# Altium PCB PCB5.PcbDoc (part 16 of 16)
Units mil, origin at the board's own origin, x right, y up, seen from the top; angles counter-clockwise.
Board outline 9210.27 x 4350.4 mil, 4 copper layers (Top Layer, Layer 1, Layer 2, Bottom Layer), stack 23.756 mil thick; 1550 components, 1731 nets, 5196 pads, 1890 vias.
Unrouted connection lines stored in the file: 2462.
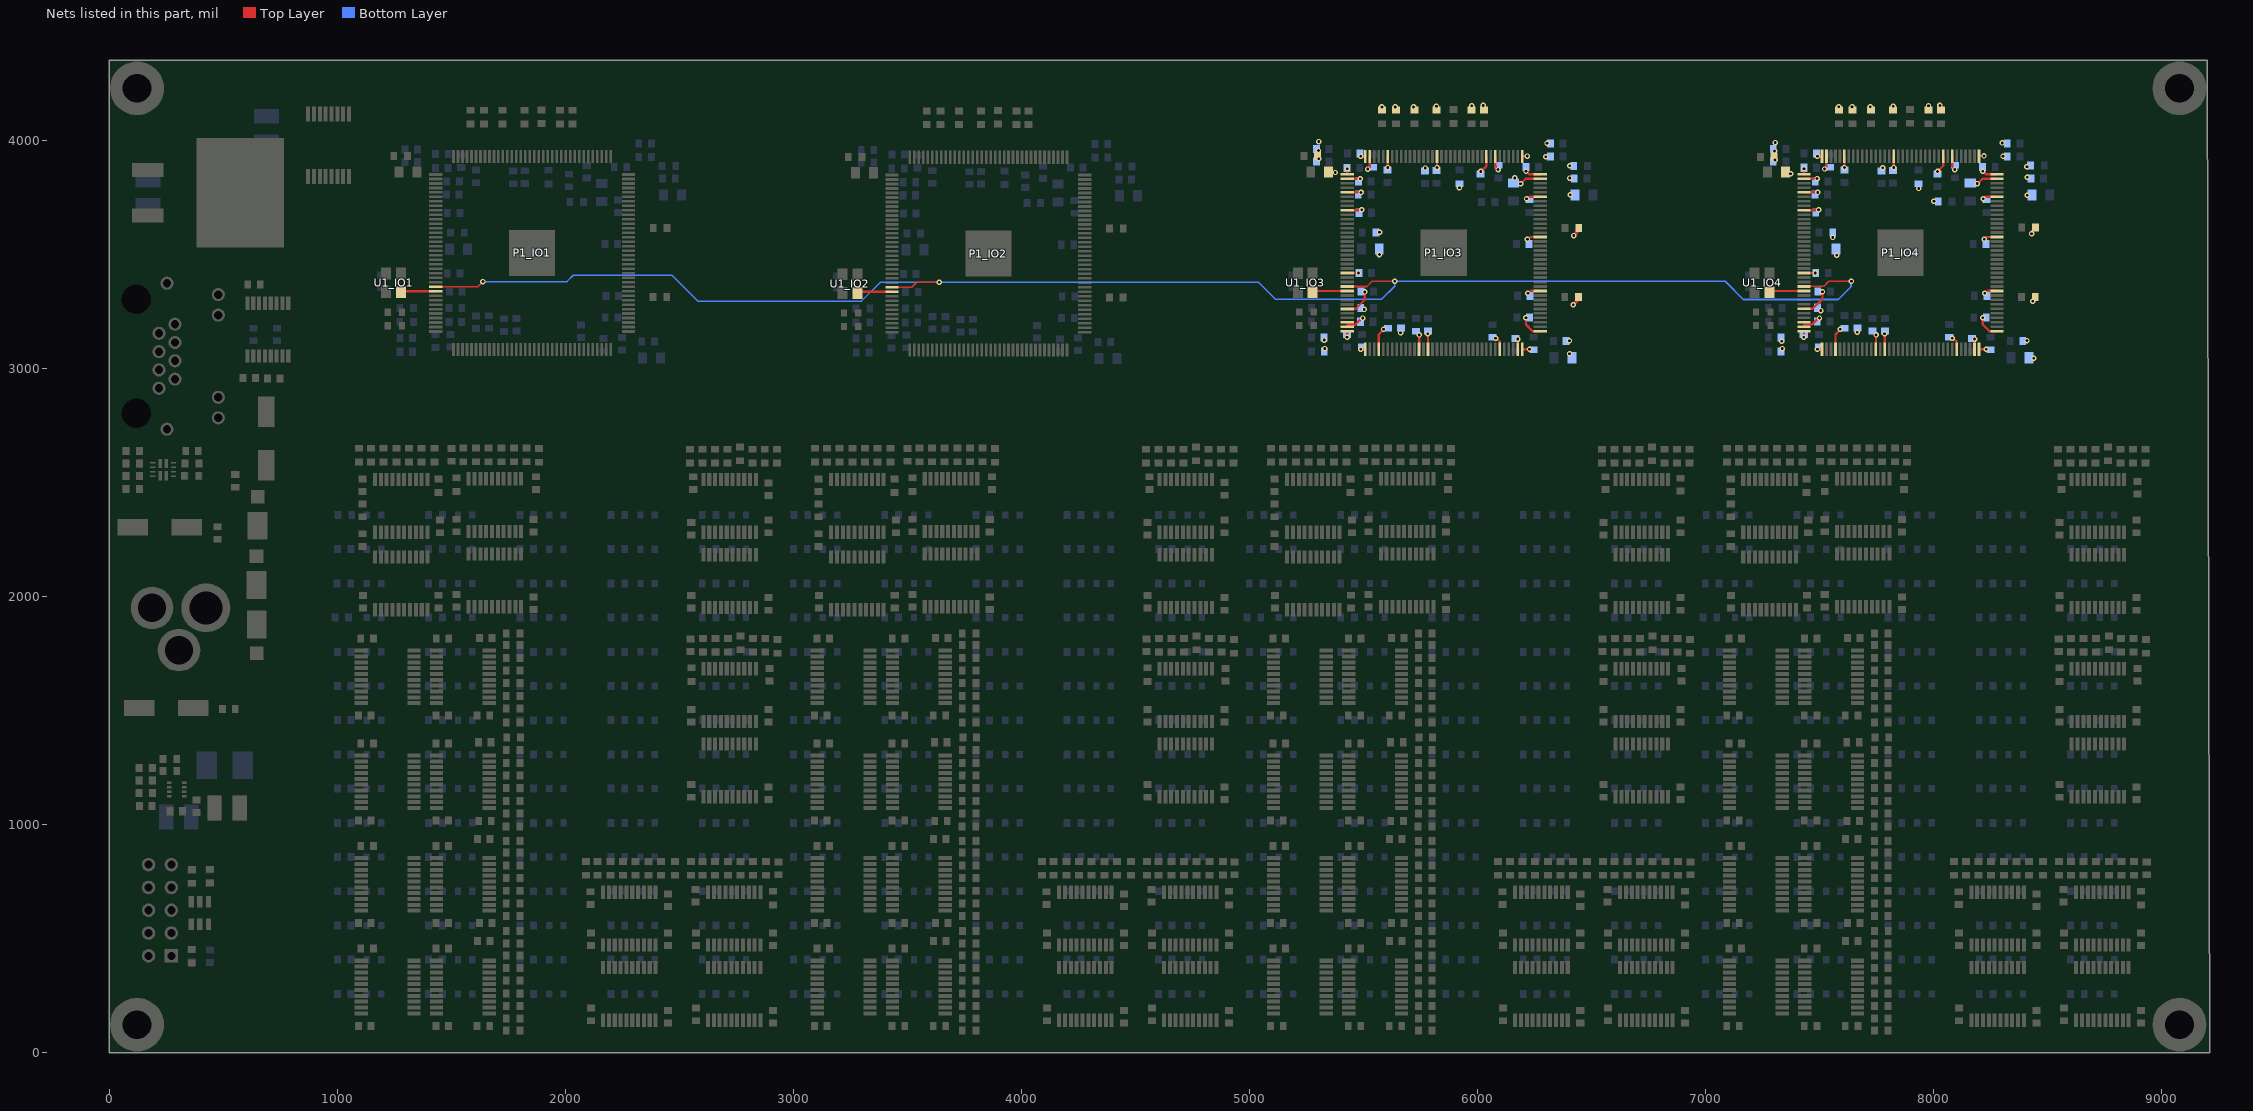
[diagram p18: the nets of this part, all layers, seen from the top]

## Via types
v1: diameter 24, hole 12, Top Layer to Bottom Layer, tented both sides, 1882 vias
v2: diameter 24, hole 12, Top Layer to Bottom Layer, 8 vias

## Nets (pads, with @x,y where several pads share a name; then routed paths per layer and width w, separated by ;. In a path a pad name is that pad's centre, name@x,y a point inside that pad or via, vN(x,y) a via of type N, cw(c..) or ccw(c..) an arc to the next point about the centre after c; other vN are vias at no path point) (continued)
VCC_FPGA_IO3: C2_POWER3.1 C3_POWER3.1 C4_POWER3.1 C5_POWER3.1 C6_POWER3.1 C7_POWER3.1 C9_POWER3.1 C10_POWER3.2 C11_POWER3.2 C12_POWER3.1 C13_POWER3.1 C15_POWER3.1 C16_POWER3.1 C17_POWER3.1 C23_POWER3.1 C24_POWER3.1 C45_POWER3.1 C46_POWER3.2 C47_POWER3.1 C48_POWER3.1 C49_POWER3.1 C51_POWER3.1 C52_POWER3.1 C53_POWER3.1 C54_POWER3.1 C55_POWER3.2 C56_POWER3.2 C57_POWER3.1 C58_POWER3.1 C59_POWER3.1 C60_POWER3.1 C61_POWER3.1 C62_POWER3.1 C64_POWER3.1 C65_POWER3.1 C66_POWER3.1 C67_POWER3.1 C68_POWER3.1 C69_POWER3.2 C70_POWER3.2 C71_POWER3.2 C72_POWER3.2 L1_POWER3.2 L3_POWER3.2 P1_IO3.1 P1_IO3.2 P1_IO3.5 P1_IO3.9 P1_IO3.23 P1_IO3.31 P1_IO3.34 P1_IO3.35 P1_IO3.36 P1_IO3.37 P1_IO3.40 P1_IO3.49 P1_IO3.51 P1_IO3.67 P1_IO3.71 P1_IO3.72 P1_IO3.73 P1_IO3.82 P1_IO3.94 P1_IO3.103 P1_IO3.107 P1_IO3.108 P1_IO3.109 P1_IO3.115 P1_IO3.117 P1_IO3.128 P1_IO3.139 P1_IO3.143 P1_IO3.144 R1_IO3.1 R2_IO3.1 R3_IO3.1 R4_IO3.1 R5_IO3.1 R6_IO3.1 R7_IO3.1 R14_IO3.2 R20_IO3.2 R31.1 | length 1741.5
  Top Layer w10: v1(5428.02,3136.42) 5429.34,3137.75 P1_IO3.36@5429.34,3162.47 P1_IO3.36@5429.46,3162.59 ; v1(5428.73,3875.35) 5428.73,3852.06 P1_IO3.1@5429.34,3851.45 P1_IO3.1@5429.59,3851.2 ; 5429.34,3192 5464.11,3192 5483.83,3211.72 5484.04,3211.72 5493.04,3220.72 v1(5496.83,3220.72) ; P1_IO3.31@5429.34,3260.9 5429.56,3261.12 5466.23,3261.12 5505.84,3300.72 v1(5505.84,3335.36) ; P1_IO3.23@5429.34,3418.38 v1(5478.29,3418.38) ; P1_IO3.9@5429.34,3693.97 5429.59,3693.72 5490.7,3693.72 v1@5493.41,3696.43 ; P1_IO3.5@5429.34,3772.71 5429.89,3772.16 5489.05,3772.16 v1(5489.6,3771.62) ; P1_IO3.2@5429.34,3831.76 5429.59,3832.01 5485.89,3832.01 v1(5486.13,3832.25) ; v1(5487.59,3929.82) 5487.69,3929.72 P1_IO3.144@5507.61,3929.72 P1_IO3.144@5507.85,3929.96 ; v1(5487.82,3083.99) 5490.1,3083.99 5490.32,3084.2 P1_IO3.37@5507.61,3084.2 ; v1(5519.15,3874.24) 5519.29,3874.24 5527.29,3882.25 P1_IO3.143@5527.29,3929.72 ; P1_IO3.40@5566.66,3084.2 5566.66,3148.55 5587.89,3169.77 v1(5587.89,3171.91) ; v1(5606.03,3880.77) P1_IO3.139@5606.03,3929.72 ; P1_IO3.49@5743.83,3084.2 5744.33,3084.7 5744.33,3146.22 v1(5744.83,3146.72) ; v1(5782.07,3152.1) 5783.05,3151.12 5783.05,3084.35 P1_IO3.51@5783.2,3084.2 ; v1(5822.57,3880.77) P1_IO3.128@5822.57,3929.72 ; v1(6014.78,3863.83) 6039.11,3888.16 P1_IO3.117@6039.11,3929.72 ; P1_IO3.115@6078.48,3929.72 6078.48,3886.38 6090.29,3874.57 v1(6090.29,3871.75) ; v1(6079.28,3132.24) 6082.35,3132.24 6097.26,3117.34 6097.26,3085.11 P1_IO3.67@6098.16,3084.2 ; v1@6177.83,3126.72 6176.87,3125.75 P1_IO3.71@6176.87,3084.24 ; v1@6190.83,3810.72 6211.88,3831.76 P1_IO3.107@6274.85,3831.76 ; P1_IO3.72@6196.59,3084.2 6196.63,3084.25 v1(6228.25,3084.25) ; P1_IO3.109@6196.59,3929.72 6198.26,3931.39 v1(6218.21,3931.39) ; v1(6212.71,3221.74) 6212.71,3192.39 6241.72,3163.38 6273.95,3163.38 P1_IO3.73@6274.85,3162.47 ; v1(6212.81,3864.67) 6226.03,3851.45 P1_IO3.108@6274.85,3851.45 ; v1(6215.07,3743.66) 6218.85,3743.66 6228.22,3753.02 P1_IO3.103@6274.85,3753.02 ; v1(6218.88,3566.53) 6222.14,3566.53 6231.73,3576.12 6274.59,3576.12 P1_IO3.94@6274.85,3575.86 ; v1(6221.31,3329.94) 6225.1,3329.94 6235.67,3340.51 6273.97,3340.51 P1_IO3.82@6274.85,3339.64 ; P1_IO3.71@6176.87,3084.24 P1_IO3.71@6176.9,3084.2
  Top Layer w15: v1(6420.05,3279.4) 6435.33,3294.68 6435.33,3306.22 R20_IO3.2@6442.83,3313.72 ; v1(6422.52,3582.48) 6436.33,3596.29 6436.33,3609.22 R14_IO3.2@6443.83,3616.72
  other v1: 6403.72,3064.64 5330.23,3086.87 6403.44,3120.87 5328.43,3124.07 6176.83,3128.72 5662.93,3156.87 5503.03,3258.67 5569.83,3499.17 5570.81,3596.95 5492.83,3695.72 6406.93,3761.17 5921.03,3791.87 6189.13,3810.33 6163.13,3835.07 6404.37,3834.89 5376,3859.13 5771.43,3878.87 6404.83,3888.87 5303.6,3918.86 6299.33,3928.27 5302.33,3955.06 6304.93,3986.87 5304.19,3994.83 5580.83,4146.72 5639.83,4146.72 5719.83,4146.72 5819.83,4149.72 5974.83,4151.72 6025.12,4153.27
VCC_FPGA_IO4: C2_POWER4.1 C3_POWER4.1 C4_POWER4.1 C5_POWER4.1 C6_POWER4.1 C7_POWER4.1 C9_POWER4.1 C10_POWER4.2 C11_POWER4.2 C12_POWER4.1 C13_POWER4.1 C15_POWER4.1 C16_POWER4.1 C17_POWER4.1 C23_POWER4.1 C24_POWER4.1 C45_POWER4.1 C46_POWER4.2 C47_POWER4.1 C48_POWER4.1 C49_POWER4.1 C51_POWER4.1 C52_POWER4.1 C53_POWER4.1 C54_POWER4.1 C55_POWER4.2 C56_POWER4.2 C57_POWER4.1 C58_POWER4.1 C59_POWER4.1 C60_POWER4.1 C61_POWER4.1 C62_POWER4.1 C64_POWER4.1 C65_POWER4.1 C66_POWER4.1 C67_POWER4.1 C68_POWER4.1 C69_POWER4.2 C70_POWER4.2 C71_POWER4.2 C72_POWER4.2 L1_POWER4.2 L3_POWER4.2 P1_IO4.1 P1_IO4.2 P1_IO4.5 P1_IO4.9 P1_IO4.23 P1_IO4.31 P1_IO4.34 P1_IO4.35 P1_IO4.36 P1_IO4.37 P1_IO4.40 P1_IO4.49 P1_IO4.51 P1_IO4.67 P1_IO4.71 P1_IO4.72 P1_IO4.73 P1_IO4.82 P1_IO4.94 P1_IO4.103 P1_IO4.107 P1_IO4.108 P1_IO4.109 P1_IO4.115 P1_IO4.117 P1_IO4.128 P1_IO4.139 P1_IO4.143 P1_IO4.144 R1_IO4.1 R2_IO4.1 R3_IO4.1 R4_IO4.1 R5_IO4.1 R6_IO4.1 R7_IO4.1 R14_IO4.2 R20_IO4.2 R33.1 R34.1 | length 1695.3
  Top Layer w10: v1(7431.02,3136.57) 7432.34,3137.9 P1_IO4.36@7432.34,3162.62 P1_IO4.36@7432.46,3162.74 ; v1(7431.73,3875.5) 7431.73,3852.21 P1_IO4.1@7432.34,3851.6 P1_IO4.1@7432.59,3851.35 ; 7432.34,3192.15 7467.11,3192.15 7486.83,3211.87 7487.04,3211.87 7496.04,3220.87 v1(7499.83,3220.87) ; P1_IO4.31@7432.34,3261.05 7432.56,3261.27 7469.23,3261.27 7512.84,3304.88 v1(7512.84,3335.83) ; P1_IO4.23@7432.34,3418.53 v1(7481.29,3418.53) ; P1_IO4.9@7432.34,3694.12 7432.59,3693.87 7493.7,3693.87 v1@7496.41,3696.58 ; P1_IO4.5@7432.34,3772.86 7432.89,3772.31 7492.05,3772.31 v1(7492.6,3771.77) ; P1_IO4.2@7432.34,3831.91 7432.59,3832.16 7488.89,3832.16 v1(7489.13,3832.4) ; v1(7490.59,3929.97) 7490.69,3929.87 P1_IO4.144@7510.61,3929.87 P1_IO4.144@7510.85,3930.11 ; v1(7490.82,3084.14) 7493.1,3084.14 7493.32,3084.35 P1_IO4.37@7510.61,3084.35 ; v1(7522.15,3874.39) 7522.29,3874.39 7530.29,3882.4 P1_IO4.143@7530.29,3929.87 ; P1_IO4.40@7569.66,3084.35 7569.66,3148.7 7590.89,3169.92 v1(7590.89,3172.06) ; v1(7609.03,3880.92) P1_IO4.139@7609.03,3929.87 ; P1_IO4.49@7746.83,3084.35 7747.33,3084.85 7747.33,3146.37 v1(7747.83,3146.87) ; v1(7785.07,3152.25) 7786.05,3151.27 7786.05,3084.5 P1_IO4.51@7786.2,3084.35 ; v1(7825.57,3880.92) P1_IO4.128@7825.57,3929.87 ; v1(8017.78,3863.98) 8042.11,3888.31 P1_IO4.117@8042.11,3929.87 ; P1_IO4.115@8081.48,3929.87 8081.48,3886.53 8093.29,3874.72 v1(8093.29,3871.9) ; v1(8082.28,3132.39) 8085.35,3132.39 8100.26,3117.49 8100.26,3085.26 P1_IO4.67@8101.16,3084.35 ; v1@8180.83,3126.87 8179.87,3125.9 P1_IO4.71@8179.87,3084.39 ; v1@8193.83,3810.87 8214.88,3831.91 P1_IO4.107@8277.85,3831.91 ; P1_IO4.72@8199.59,3084.35 P1_IO4.72@8199.59,3084.35 v1(8231.25,3084.4) ; P1_IO4.109@8199.59,3929.87 8201.26,3931.54 v1(8221.21,3931.54) ; v1(8215.71,3221.9) 8215.71,3192.54 8244.72,3163.53 8276.95,3163.53 P1_IO4.73@8277.85,3162.62 ; v1(8215.81,3864.82) 8229.03,3851.6 P1_IO4.108@8277.85,3851.6 ; v1(8218.07,3743.81) 8221.85,3743.81 8231.22,3753.17 P1_IO4.103@8277.85,3753.17 ; v1(8221.88,3566.68) 8225.14,3566.68 8234.73,3576.27 8277.59,3576.27 P1_IO4.94@8277.85,3576.01 ; v1(8224.31,3330.09) 8228.1,3330.09 8238.67,3340.67 8276.97,3340.67 P1_IO4.82@8277.85,3339.79 ; P1_IO4.71@8179.87,3084.39 P1_IO4.71@8179.9,3084.35
  Top Layer w15: v1(8429.83,3590) 8431.55,3591.72 8431.55,3599.09 8446.83,3614.37 R14_IO4.2@8446.83,3616.87
  Bottom Layer w10: v1(8082.28,3132.39) C66_POWER4.1@8084.03,3132.39 ; v1@8093.29,3868.89 v1(8093.29,3871.9)
  other v1: 8439.48,3044.03 7336.83,3086.87 7334.83,3118.87 8409.83,3121.87 8179.83,3128.87 7664.83,3158.87 7505.83,3253.87 8434.9,3294.51 7575.83,3495.87 7558.25,3574.15 7495.83,3695.87 8001.83,3732.87 8410.83,3759.87 7935.28,3788.94 8192.13,3810.48 8410.83,3837.87 7372.83,3853.87 7776.83,3879.87 8409.43,3883.87 7305.22,3914.41 8304.83,3930.87 7302.82,3952.99 8301.83,3988.87 7305.8,3990.38 7583.83,4146.87 7642.83,4146.87 7722.83,4146.87 7822.83,4149.87 7977.83,4151.87 8028.12,4153.42
X_25M_IO1: P1_IO1.27 U1_IO1.3 | length 289.7
  Top Layer w10: U1_IO1.3@1285.79,3341.19 U1_IO1.3@1288.19,3338.79 ; U1_IO1.3@1288.19,3338.79 P1_IO1.27@1431.34,3338.79 U1_IO1.3@1288.19,3338.79
X_25M_IO2: P1_IO2.27 U1_IO2.3 | length 289.7
  Top Layer w10: U1_IO2.3@3286.89,3338.59 U1_IO2.3@3289.29,3336.19 ; U1_IO2.3@3289.29,3336.19 P1_IO2.27@3432.44,3336.19 U1_IO2.3@3289.29,3336.19
X_25M_IO3: P1_IO3.27 U1_IO3.3 | length 289.7
  Top Layer w10: U1_IO3.3@5283.79,3342.04 U1_IO3.3@5286.19,3339.64 ; U1_IO3.3@5286.19,3339.64 P1_IO3.27@5429.34,3339.64 U1_IO3.3@5286.19,3339.64
X_25M_IO4: P1_IO4.27 U1_IO4.3 | length 289.7
  Top Layer w10: U1_IO4.3@7286.79,3342.19 U1_IO4.3@7289.19,3339.79 ; U1_IO4.3@7289.19,3339.79 P1_IO4.27@7432.34,3339.79 U1_IO4.3@7289.19,3339.79
XSIG: P1_IO1.26 P1_IO2.26 P1_IO3.26 P1_IO4.26 | length 7115.2
  Top Layer w7: P1_IO1.26@1431.34,3358.47 1616.44,3358.47 v1(1638.83,3380.87) ; P1_IO2.26@3432.44,3355.87 3518.54,3355.87 3540.93,3378.27 v1(3639.93,3378.27) ; P1_IO3.26@5429.34,3359.32 5515.44,3359.32 5537.83,3381.72 v1(5636.83,3381.72) ; P1_IO4.26@7432.34,3359.47 7518.44,3359.47 7540.83,3381.87 v1(7639.83,3381.87)
  Bottom Layer w7: v1(1638.83,3380.87) 2007.59,3380.87 2034.74,3408.01 2467.98,3408.01 2580.63,3295.37 3298.83,3295.37 3381.73,3378.27 v1(3639.93,3378.27) 5039.53,3378.27 5114.59,3303.21 5579.35,3303.21 5636.83,3360.69 v1(5636.83,3381.72) 7086.08,3381.72 7165.77,3302.03 7581.95,3302.03 7638.02,3358.1 7638.02,3380.05 v1(7639.83,3381.87)
pads on no net: J1.9 J1.10 J1.11 J1.12 J1.MH3 J1.MH4 J2.3 P1_IO1.145 P1_IO2.145 P1_IO3.145 P1_IO4.145 P3.6 P3.7 P3.8 U2.11 U2.12 U2.13 U2.14 U14.6

## Polygon pours and split planes (outlines as drawn)
GND on Layer 1 (split plane): 9190.13,20.1 20.1,20.1 20.1,4330.3 9180.7,4330.3
VCC_5V on Layer 2 (split plane): 497 vertices, not listed, extent 20.1,20.1 9190.13,4330.3
VCC_12V on Layer 2 (split plane): 700.38,2231.2 700.38,1387.62 491.34,1387.62 487.42,1387.23 483.65,1386.09 480.17,1384.23 477.13,1381.73 474.63,1378.69 472.77,1375.21 471.63,1371.44 471.24,1367.52 471.24,968.92 20.1,968.92 20.1,2607.07 324.51,2607.07
VCC_3V3 on Layer 2 (split plane): 487 vertices, not listed, extent 600.1,605.21 9184.86,4330.3
VCC_FPGA_IO3 on Layer 2 (split plane): 6444.89,3006.14 5269.34,3006.14 5269.34,4186.02 6444.89,4186.02
VCC_FPGA_IO4 on Layer 2 (split plane): 8464.04,3006.14 7277.22,3006.14 7277.22,4186.02 8464.04,4186.02
VCC_FPGA_IO1 on Layer 2 (split plane): 2460.1,3006.14 1295.69,3006.14 1295.69,4186.02 2460.1,4186.02
VCC_FPGA_IO2 on Layer 2 (split plane): 4448.29,3006.14 3277.89,3006.14 3277.89,4186.02 4448.29,4186.02

## Other copper
Top Layer:
  region net VCC_3V3: 5633.86,956.69 5547.24,956.69 5547.24,909.45 5633.86,909.45
  region net VCC_3V3: 7627.74,960.63 7539.37,960.63 7539.37,907.81 7627.74,907.81
  region net VCC_3V3: 3633.48,957 3542.93,957 3542.93,905.82 3633.48,905.82
  region net VCC_3V3: 1629.92,956.69 1547.24,956.69 1547.24,909.45 1629.92,909.45
  region net GND: 269.61,4010.31 79.61,4010.31 79.61,3840.31 269.61,3840.31
  rectangle net PWR_CNTRL: 596.54,2404.77 740.74,2647.67
  rectangle net GND: 579.24,2732.17 795.54,2889.17
  rectangle net PWR_LOCAL: 254.66,2106.92 420.66,2347.92
  rectangle net VCC_12V: 294.24,1414.77 520.14,1600.97
  rectangle net GND: 24.24,1840.57 190.24,2359.27
  rectangle net GND: 62.24,1413.27 217.64,1600.97
  region net PWR_LOCAL: 526.61,2279.15 526.61,2347.73 254.96,2347.73 254.96,2279.15
  rectangle net VCC_12V: 309.58,2408.14 445.28,2461.54
  rectangle net PWR_LOCAL: 299.24,1889.27 543.24,2157.64
  region net VCC_5V: 249.61,3520.31 249.61,3710.31 79.61,3710.31 79.61,3520.31
  rectangle net PWR_LOCAL: 433.64,1687.07 542.74,1908.77
  region net VCC_12V: 705.14,1804.97 705.14,2114.97 588.04,2114.97 588.04,1804.97
  region net NetD4_1: 707.14,2130.07 707.14,2392.27 590.04,2392.27 590.04,2130.07
  region net VCC_5V: 673.23,1320.53 520.27,1320.53 520.27,1001.33 673.23,1001.33
  rectangle net PWR_LOCAL: 434.74,1666.77 696.94,1783.87
  rectangle net GND: 104.14,1892.27 278.24,2078.27
  rectangle net VCC_FPGA_IO4: 7283.66,3895.57 7323.66,4003.93
  rectangle net VCC_3V3: 3206.6,3893.93 3263.66,3993.93
  rectangle net VCC_FPGA_IO2: 3283.66,3890.94 3323.66,4003.93
  rectangle net VCC_FPGA_IO3: 5282.05,3895.39 5322.05,4008.38
  rectangle net VCC_FPGA_IO1: 1290.63,3894.18 1330.63,4007.17
  rectangle net VCC_3V3: 5204.98,3898.38 5262.05,3998.38
  rectangle net VCC_3V3: 1213.57,3897.17 1270.63,3997.17
  rectangle net VCC_3V3: 7206.6,3896.02 7263.66,3993.93
  rectangle net VCC_FPGA_IO4: 7402.63,3177.17 7465.83,3207.07
Bottom Layer:
  region net GND: 759.61,4060.31 759.61,4180.31 619.61,4180.31 619.61,4060.31
  region net GND: 79.61,4020.31 79.61,3790.31 249.61,3790.31 249.61,4020.31
  region net VCC_5V: 249.61,3540.31 249.61,3750.31 79.61,3750.31 79.61,3540.31
  region net VCC_5V: 628.02,1327.17 527.62,1327.17 527.62,1001.93 628.02,1001.93
Layer 2 (plane layer: these items are gaps in the copper):
  lines w30: 1669.29,1149.34 2066.93,1149.34 2066.93,2409.45 ; 1669.29,1153.93 1669.29,1858.27 1526.08,1858.27 1526.08,811.02 1685.04,811.02 1685.04,969.95 2054.1,969.95 ; 2051.18,1673.23 2062.99,1661.42 ; 2055.19,2409.45 2062.99,2401.65 ; 2062.99,969.95 2062.99,590.55 2854.33,590.55 2854.33,759.84 2358.74,759.84 2358.74,1559.06 2960.63,1559.06 2968.5,1566.93 2968.5,1759.84 2452.76,1759.84 ; 2433.07,1755.91 2433.07,2407.82 ; 3669.29,1149.34 4066.93,1149.34 4066.93,2409.45 ; 3669.29,1153.93 3669.29,1858.27 3526.08,1858.27 3526.08,811.02 3685.04,811.02 3685.04,969.95 4054.1,969.95 ; 4051.18,1673.23 4062.99,1661.42 ; 4055.19,2409.45 4062.99,2401.65 ; 4062.99,969.95 4062.99,590.55 4869.81,590.55 4869.81,759.84 4358.74,759.84 4358.74,1559.06 4960.63,1559.06 4968.5,1566.93 4968.5,1759.84 4452.76,1759.84 ; 4433.07,1755.91 4433.07,2407.82 ; 5669.29,811.02 5526.08,811.02 5526.08,1858.27 5669.29,1858.27 5669.29,1153.93 ; 5669.29,969.95 6054.1,969.95 ; 5669.29,1149.34 6066.93,1149.34 6066.93,2409.45 ; 5675.24,817.83 5675.24,969.95 ; 6051.18,1673.23 6062.99,1661.42 ; 6062.99,969.95 6062.99,590.55 6854.33,590.55 6854.33,759.84 6358.74,759.84 6358.74,1559.06 6960.63,1559.06 6968.5,1566.93 6968.5,1759.84 6452.76,1759.84 ; 6433.07,1755.91 6433.07,2407.82 ; 7668.67,810.61 7525.46,810.61 7525.46,1857.85 7668.67,1857.85 7668.67,1153.51 ; 7668.67,969.53 8053.48,969.53 ; 7668.67,1148.92 8066.31,1148.92 8066.31,2409.03 ; 7674.62,817.41 7674.62,969.53 ; 8050.56,1672.81 8062.37,1661 ; 8062.37,969.53 8062.37,590.14 8853.71,590.14 8853.71,759.43 8358.12,759.43 8358.12,1558.64 8960.01,1558.64 8967.89,1566.51 8967.89,1759.43 8452.14,1759.43 ; 8430.82,2409.03 8432.45,2407.4 8432.45,1755.49
  lines w40: -3.94,948.82 491.34,948.82 491.34,1367.52 663.19,1367.52 720.47,1367.52 720.47,2239.53 332.83,2627.17 15.75,2627.17 ; 580,4340 580,3415 860,3415 ; 870,3415 870,2590.71 1052.43,2408.28 2066.93,2408.28 ; 945.03,4347.17 1050.63,4347.17 ; 2433.07,2408.99 4070.32,2408.99 ; 4433.07,2408.99 6066.93,2408.99 ; 6433.07,2407.59 8066.31,2407.59 ; 8432.45,2408.57 9200,2408.57 ; 1275.59,2986.04 1275.59,4206.11 2480.2,4206.11 2480.2,2986.04 1275.59,2986.04 ; 3257.79,2986.04 3257.79,4206.11 4468.39,4206.11 4468.39,2986.04 3257.79,2986.04 ; 5249.25,2986.04 5249.25,4206.11 6464.98,4206.11 6464.98,2986.04 5249.25,2986.04 ; 7257.12,2986.04 8484.14,2986.04 8484.14,4206.11 7257.12,4206.11 7257.12,2986.04

## Silkscreen, mask and mechanical layers (free items; w line width, h text height)
Mechanical 2:
  lines w40: -1,0 -1,4350 9203,4350 9203,6 9196,-1 0,-1
Mechanical 15:
  region: 2960.63,2372.86 1060.63,2372.86 1060.63,222.86 2960.63,222.86
  region: 8910.63,2407.16 7060.63,2407.16 7060.63,257.16 8910.63,257.16
  region: 6910.63,2407.16 5060.63,2407.16 5060.63,257.16 6910.63,257.16
  region: 4960.63,2407.16 3060.63,2407.16 3060.63,257.16 4960.63,257.16

## Text inside footprints (layer, text, board x,y; h text height)
P3: Top Overlay "10" at 192.17,883.87 h40 r90; Top Overlay "9" at 292.17,883.87 h40 r90; Top Overlay "1" at 292.17,343.87 h40 r90; Top Overlay "2" at 192.17,323.87 h40 r90